# Altium PCB CameraControler2.1.PcbDoc (part 2 of 3) (continued)
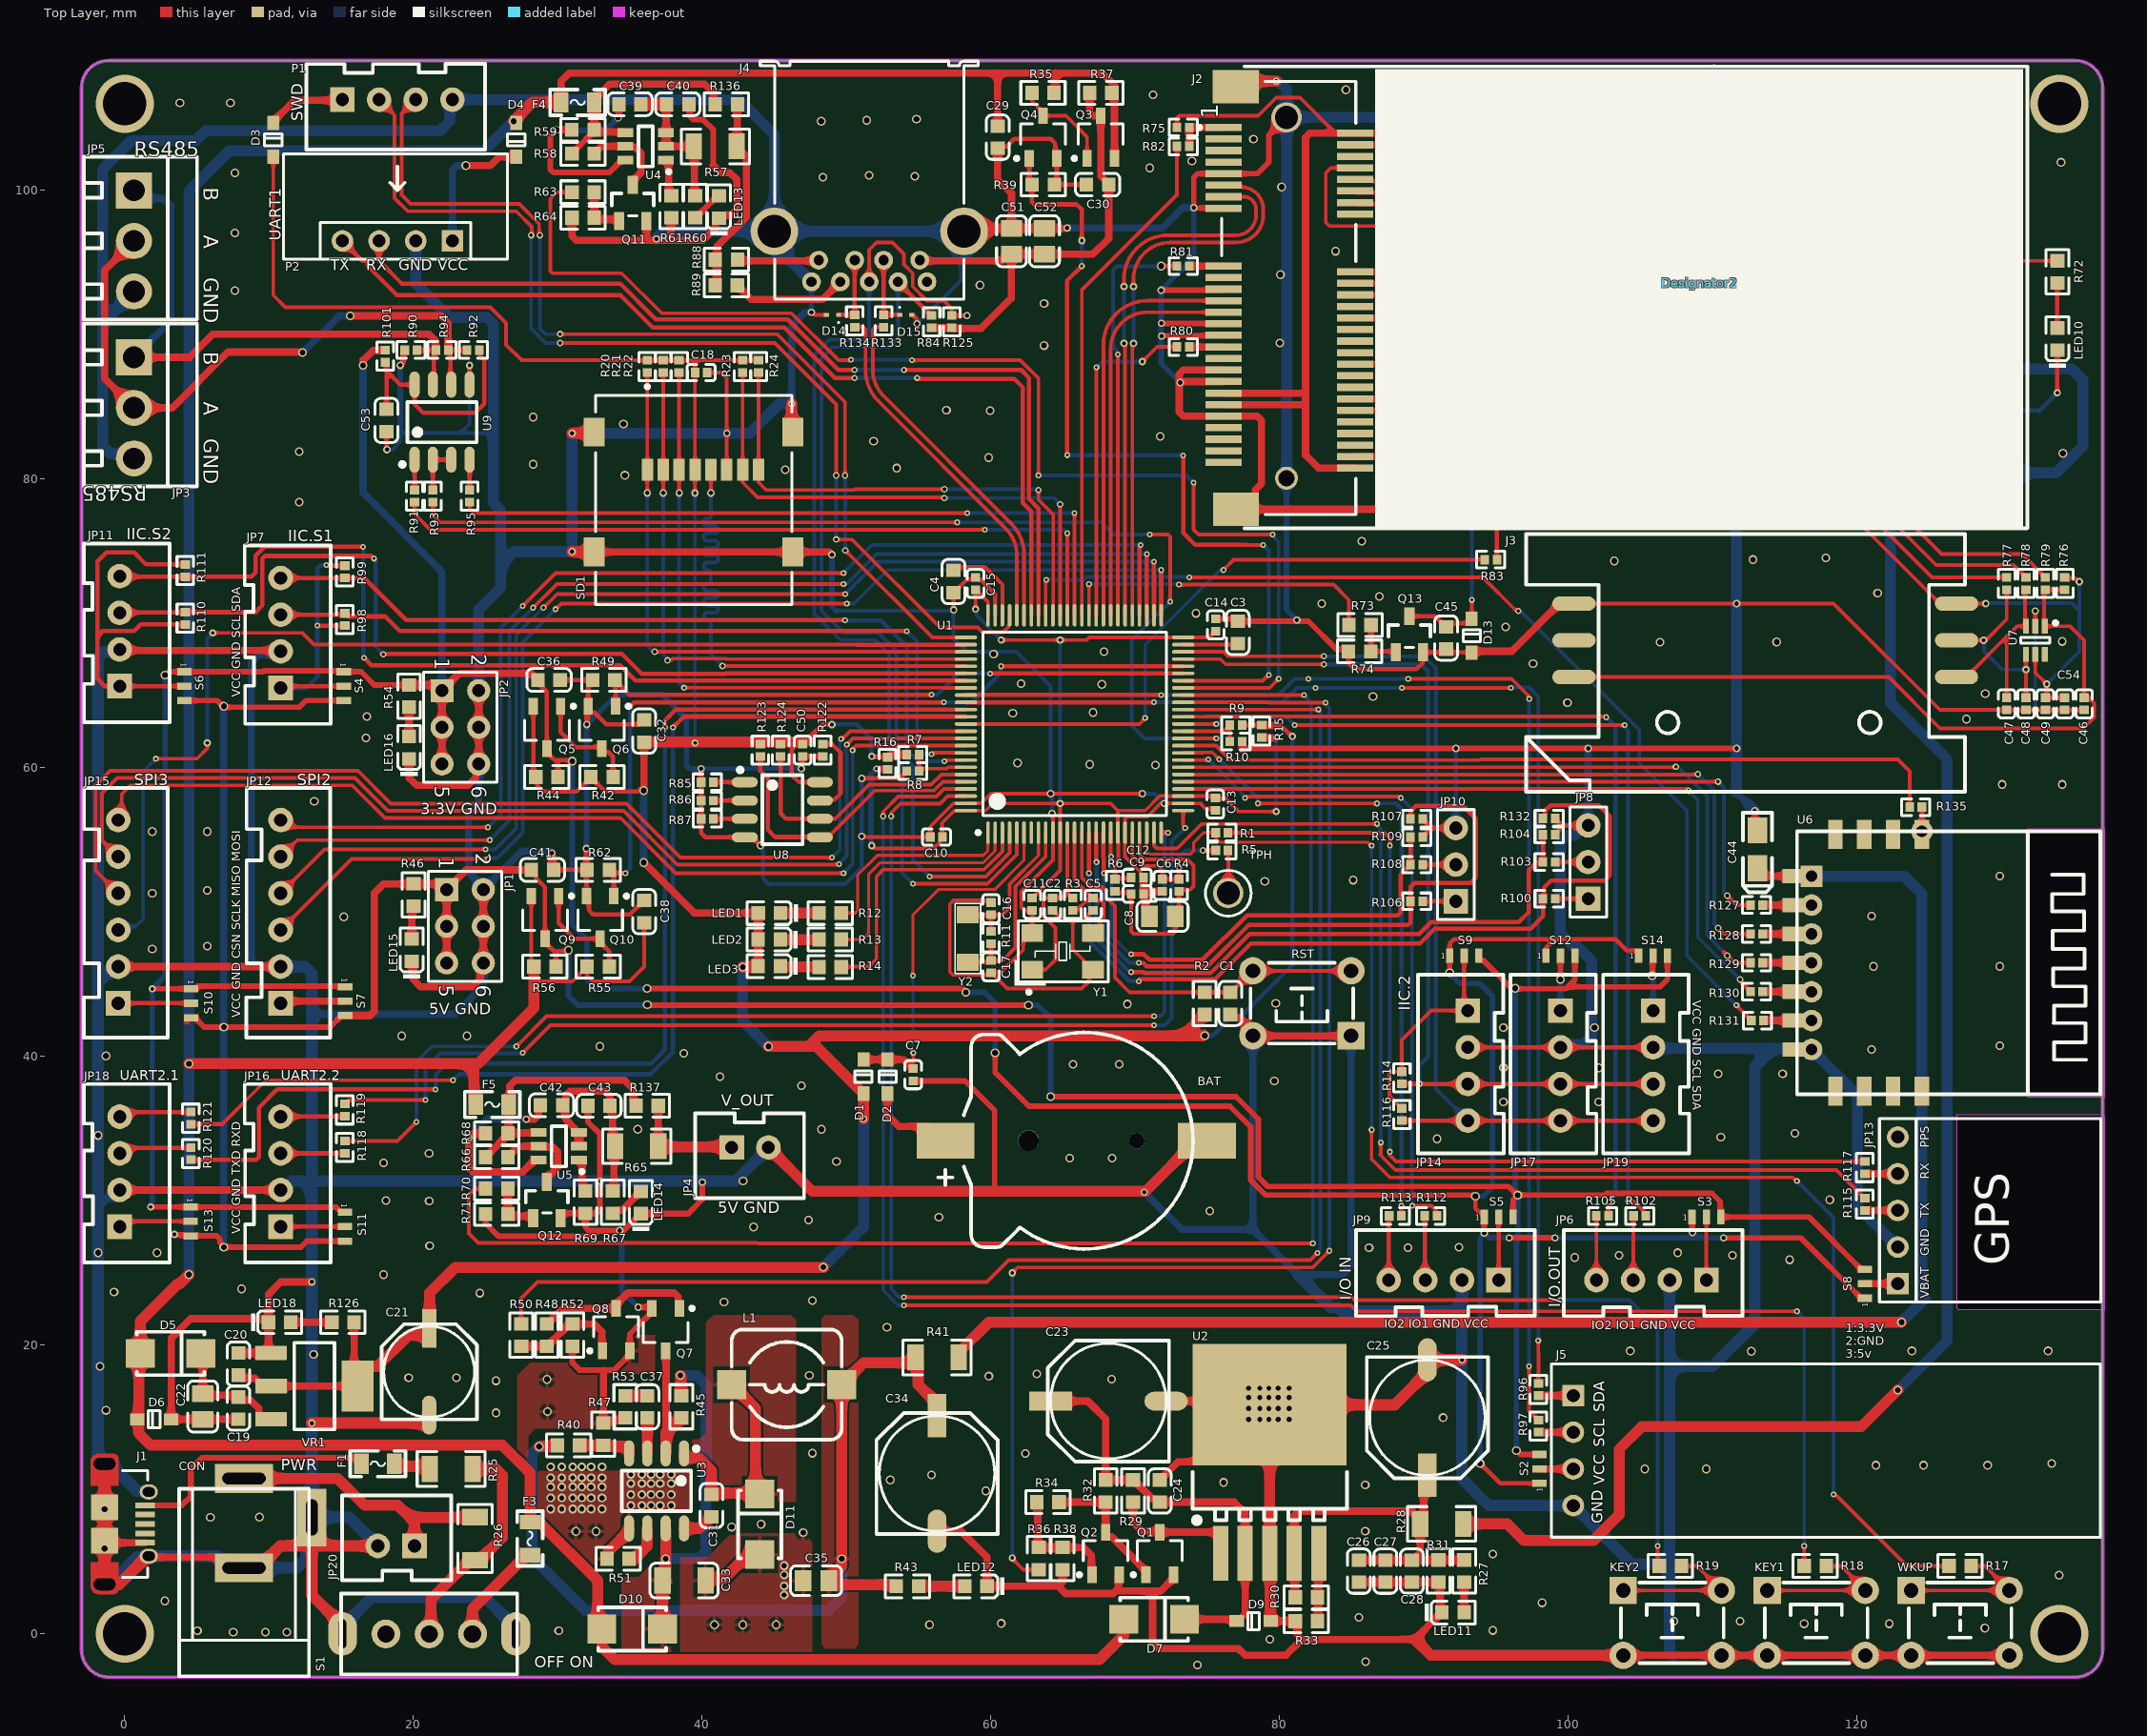
[diagram p0: Top Layer view]
## Nets (pads, with @x,y where several pads share a name; then routed paths per layer and width w, separated by ;. In a path a pad name is that pad's centre, name@x,y a point inside that pad or via, vN(x,y) a via of type N, cw(c..) or ccw(c..) an arc to the next point about the centre after c; other vN are vias at no path point) (continued)
  Top Layer w0.381: v4(19.082,87.884) 19.282,88.084 19.282,88.829 R90.2@19.391,88.939 ; v4(31.975,54.409) 31.975,52.986 R62.1@32.028,52.933 ; v4(32.004,63) 32.028,63.024 32.028,64.195 Q6.2@32.099,64.265 ; C7.2@54.607,38.313 58.2,38.313 60.252,36.261 60.252,30.69 60.286,30.656 ; v4(71.786,93.088) J2.21@76.044,93.088 ; v4(71.797,90.805) 71.819,90.783 76.095,90.783 J2.27@76.117,90.761 ; v4(71.819,89.916) 71.842,89.939 76.094,89.939 J2.29@76.117,89.961 ; v4@74.041,99.034 74.041,100.906 74.295,101.161 J2.9@76.117,101.161 78.448,101.161 79.248,101.961 79.248,103.842 J2.MH1@80.467,105.061 ; 74.295,98.779 76.098,98.779 J2.15@76.117,98.761 ; C3.1@77.089,70.156 81.99,70.156 83.919,68.227 84.599,68.227 R74.2@84.765,68.061 ; 77.437,61.341 v4(92.194,61.341) v4(101.362,61.341) v4(111.648,61.341) ; J2.40@85.217,85.561 88.184,85.561 ; J2.34@85.217,87.961 88.252,87.961 88.475,88.184 ; J2.26@85.217,91.161 v4(88.475,91.161) 88.475,88.184 ; J2.18@85.217,94.361 v4(88.456,94.361) ; J2.4@85.217,103.161 88.042,103.161 88.15,103.053 v4(88.184,103.053) ; v4@88.475,85.852 88.475,88.184 ; v4(112.903,57.023) 112.903,55.847 C44.2@113.084,55.666
  Top Layer w0.4: R71.2@24.986,29.083 24.986,28.448 25.875,27.559 32.305,27.559 32.686,27.94 ; Q12.2@30.19,28.801 30.19,28.994 30.34,29.144 R69.2@31.903,29.144 ; R52.1@31.007,19.923 31.007,18.777 31.496,18.288 33.917,18.288 34.986,19.357 Q8.2@34.986,19.607 34.986,20.782 35.686,21.482 35.69,21.482 36.515,22.307 Q7.2@36.515,22.557 36.44,22.632 v4(35.565,22.632) ; C43.1@32.07,36.588 32.07,35.467 32.92,34.617 v4(32.92,31.369) 32.92,29.378 32.686,29.144 R69.2@31.903,29.144 ; C40.1@39.069,105.974 39.151,105.892 39.151,105.136 39.385,104.902 40.059,104.902 40.765,104.196 40.765,101.727 ; v4(40.005,31.301) 40.005,30.096 39.025,29.116 LED14.K@35.751,29.116 35.726,29.116 34.55,27.94 v4(34.288,27.94) 32.686,27.94 ; R69.2@31.903,29.144 31.903,28.174 32.137,27.94 32.686,27.94
  Top Layer w0.5: JP15.2@-0.457,46.228 JP12.2@10.795,46.228 ; JP18.2@-0.356,30.751 JP16.2@10.795,30.751 ; JP11.2@-0.356,68.199 -0.292,68.136 10.732,68.136 JP7.2@10.795,68.072 ; LED16.K@19.689,60.63 19.689,59.3 20.205,58.784 23.778,58.784 24.305,59.311 24.305,60.054 JP2.6@24.515,60.265 JP2.4@24.515,62.805 JP2.2@24.515,65.345 ; LED15.K@19.88,46.593 19.951,46.522 19.951,45.378 20.498,44.831 24.101,44.831 24.622,45.353 24.622,46.272 JP1.6@24.833,46.482 JP1.4@24.833,49.022 JP1.2@24.833,51.562 ; v4(29.591,54.102) 29.593,54.1 29.593,53.038 C41.1@29.697,52.933 ; SD1.11@32.526,74.952 SD1.10@46.276,74.952 48.799,74.952 v4(48.979,74.771) ; R47.1@33.147,14.605 33.147,18.253 ; C1.1@76.581,42.913 76.796,42.698 77.242,42.698 78.515,41.425 RST.1@85.315,41.425 ; R10.2@77.39,61.818 77.39,61.294 77.437,61.341 ; KEY2.2@103.788,-1.488 KEY2.2@110.588,-1.488 KEY1.2@113.757,-1.488 KEY1.2@120.557,-1.488 WKUP.2@123.727,-1.488 WKUP.2@130.527,-1.488
  Top Layer w0.508: J1.Shell@-1.397,6.463 -1.247,6.313 J1.5@1.408,6.313 ; J1.Shell@1.658,5.388 1.728,5.318 7.509,5.318 CON.2@8.255,4.572 CON.2@8.986,4.572 ; C19.1@7.874,14.868 D6.1@3.212,14.868 3.212,20.484 4.572,21.844 9.7,21.844 9.718,21.826 9.743,21.826 LED18.K@9.954,21.615 ; C20.1@7.874,19.468 VR1.1@10.131,19.468 9.954,19.645 LED18.K@9.954,21.59 LED18.K@9.954,21.615 ; v4(12.955,24.384) 10.815,24.384 9.954,23.523 LED18.K@9.954,21.615 ; R64.2@30.978,98.1 30.978,96.848 31.276,96.55 35.837,96.55 ; R47.1@33.147,14.605 33.325,14.783 34.493,14.783 R53.1@34.671,14.962 ; Q11.2@36.135,97.886 36.135,96.848 35.837,96.55 ; R61.2@37.852,98.1 37.824,98.072 37.824,96.873 37.501,96.55 ; 40.765,101.727 41.257,101.235 41.91,101.235 42.39,100.755 42.39,98.679 42.006,98.295 41.365,98.295 LED13.K@41.154,98.084 ; LED13.K@40.918,97.873 40.918,97.404 40.064,96.55 37.501,96.55 ; C34.2@56.261,7.113 57.924,7.113 59.722,5.315 LED12.K@59.722,3.302 64.655,3.302 ; J4.Shell@58.132,97.171 58.333,97.372 C51.1@61.418,97.372 ; C29.1@60.458,102.918 60.458,100.766 61.418,99.806 C51.1@61.418,97.372 ; R38.1@64.953,4.443 64.953,3.6 64.655,3.302 ; v4(65.278,97.404) 65.246,97.372 C52.1@63.704,97.372 C51.1@61.418,97.372 ; Q2.2@68.89,4.098 68.819,4.027 68.819,3.16 68.636,2.977 ; C12.2@70.554,52.403 C9.1@70.554,51.26 ; C8.1@70.991,49.701 70.665,50.027 70.665,51.124 70.554,51.235 C9.1@70.554,51.26 ; C24.1@71.684,10.666 71.709,10.666 72.97,11.927 75.358,11.927 U2.0@79.304,15.873 79.05,16.127 C23.2@72.128,16.127 ; C6.1@71.865,51.435 70.704,51.435 70.554,51.285 C9.1@70.554,51.26 ; Q1.2@72.634,4.098 72.634,3.848 71.763,2.977 71.194,2.977 ; J2.37@76.117,86.761 73.182,86.761 v4(73.108,86.687) v4@73.035,86.614 ; J2.35@76.117,87.561 73.332,87.561 73.035,87.263 v4@73.035,86.614 ; J2.54@76.967,77.911 J2.54@77.417,77.911 ; D9.1@79.378,0.887 R33.1@81.074,0.887 81.236,0.725 81.236,-0.083 81.534,-0.381 ; J2.50@85.217,81.561 88.475,81.561 88.773,81.263 ; C26.1@85.471,3.577 85.473,3.579 90.986,3.579 R31.1@90.988,3.582 91.107,3.463 91.107,1.606 LED11.K@91.226,1.487 91.226,1.462 91.015,1.251 90.99,1.251 89.358,-0.381 81.534,-0.381 ; v4(88.773,83.161) 88.773,81.263 ; D13.1@93.301,67.968 93.413,68.08 96.079,68.08 99.373,71.374 J3.4@100.373,71.374 ; 35.837,96.55 37.501,96.55 ; 64.655,3.302 65.163,2.794 68.453,2.794 68.636,2.977 ; 68.636,2.977 71.194,2.977 ; 71.194,2.977 71.194,-0.591 71.619,-1.016 77.132,-1.016 77.604,-1.488 80.427,-1.488 81.534,-0.381 ; v4@73.035,86.614 73.035,84.659 73.332,84.361 J2.43@76.117,84.361 78.442,84.361 78.74,84.063 78.74,79.684 78.313,79.257 78.313,78.807 J2.54@77.417,77.911 ; J2.54@77.417,77.911 88.456,77.911 88.773,78.228 88.773,81.263
  Top Layer w0.762: v4(30.988,74.974) 31.01,74.952 SD1.11@32.526,74.952 ; v4(30.988,83.185) 32.459,83.185 SD1.12@32.526,83.252 ; R51.2@33.393,5.207 33.477,5.291 33.477,5.695 34.925,7.143 U3.5@34.925,7.306 ; C33.2@40.615,3.838 41.506,3.838 D11.1@43.688,6.02 ; JP4.2@44.581,33.7 47.625,30.656 60.286,30.656 v4@70.612,30.656 ; v4(46.185,85.217) 46.185,83.343 SD1.9@46.276,83.252 ; v4@70.695,30.656 74.202,34.163 BAT.2@74.952,34.163 ; J2.53@76.955,107.194 77.33,107.569 v4(79.756,107.569) ; U2.0@79.304,15.873 U2.3@79.304,5.573 79.341,5.536 79.341,0.921 79.375,0.887 D9.1@79.378,0.887 ; 89.358,-0.381 90.465,-1.488 KEY2.2@103.788,-1.488
  Top Layer w0.8: J1.Shell@-1.397,11.788 J1.Shell@-1.397,8.763 J1.Shell@-1.397,6.463 J1.Shell@-1.397,3.438 -0.392,3.438 1.558,5.388 J1.Shell@1.658,5.388 ; CON.2@8.986,4.572 9.255,4.572 10.779,6.096 CON.3@12.955,6.096 ; CON.3@12.606,7.723 12.955,7.374 CON.3@12.955,6.096 ; v4(12.955,14.605) 20.99,14.605 21.082,14.697 C21.2@21.082,15.161 ; S1.0@15.082,0 15.082,0.557 12.955,2.684 CON.3@12.955,6.096 ; JP20.2@17.526,6.096 CON.3@12.955,6.096 ; U2.0@79.304,15.873 87.965,15.873 90.226,18.134 C25.2@90.226,18.984 v4(92.62,18.984)
  Bottom Layer w0.254: v4(18.161,82.042) 18.542,82.042 19.082,82.582 19.082,83.296 19.193,83.185 23.245,83.185 ; v5(23.88,87.884) 23.88,83.82 23.245,83.185 ; 25.527,83.185 23.245,83.185 ; v4(47.562,91.561) J4.5@47.562,93.671 ; 49.276,70.886 57.348,70.886 v4(57.404,70.943) 57.404,68.973 58.341,68.036 61.758,68.036 64.128,65.666 v4(64.128,58.207) 64.227,58.108 v4(64.227,56.844) ; v4(54.876,90.761) 57.912,93.797 57.912,96.951 J4.Shell@58.132,97.171 ; v4(70.489,58.207) 71.333,58.207 v4(72.009,57.531) ; v4(132.334,64.008) v4(132.334,70.866)
  Bottom Layer w0.3: v4(39.918,59.942) 39.925,59.936 v4(46.863,59.936) ; v4(44.026,54.61) 44.196,54.44 44.196,52.351 44.581,51.966 49.928,51.966 51.043,53.081 v4(51.043,55.245) v4(51.043,59.267) ; JP10.3@92.194,55.832 v4(92.194,61.341)
  Bottom Layer w0.381: 19.082,83.296 v4(19.082,87.884) ; v4(31.975,54.409) 31.975,62.971 v4(32.004,63) 34.07,65.065 37.212,65.065 38.904,63.373 38.904,62.426 38.9,62.422 38.9,60.166 39.123,59.942 v4(39.918,59.942) ; v4(48.979,74.771) 48.979,71.183 49.276,70.886 ; v4(73.108,86.687) 71.786,88.01 v4(71.786,93.088) 74.041,95.343 v4(74.041,98.806) ; J2.MH2@80.467,80.061 80.467,70.949 v4(81.185,70.231) ; 88.011,105.061 88.184,104.888 v4(88.184,103.053) 88.184,94.666 88.456,94.395 v4(88.456,94.361) 88.465,94.351 88.465,91.171 v4(88.475,91.161) ; v4(111.648,61.341) 111.648,58.278 112.395,57.531
  Bottom Layer w0.4: v4(34.288,27.94) 34.417,27.811 34.417,23.78 v4(35.565,22.632)
  Bottom Layer w0.5: -1.86,29.758 -1.626,29.758 -0.633,30.751 JP18.2@-0.356,30.751 ; JP12.2@10.795,46.228 9.271,46.228 8.763,46.736 8.763,67.31 9.295,67.842 10.565,67.842 JP7.2@10.795,68.072 ; 12.955,42.926 22.86,42.926 24.833,44.899 JP1.6@24.833,46.482 JP1.4@24.833,49.022 JP1.2@24.833,51.562 ; JP2.2@24.515,65.345 JP2.4@24.515,62.805 JP2.6@24.515,60.265 24.515,57.461 23.823,56.769 23.823,52.744 24.833,51.735 JP1.2@24.833,51.562 ; v4(29.591,54.102) 29.464,54.229 27.5,54.229 JP1.2@24.833,51.562 ; v4(70.612,30.607) 73.207,28.012 78.134,28.012 ; RST.1@78.134,41.438 78.134,28.012 ; RST.1@84.934,41.438 84.934,25.498 84.328,24.892 81.254,24.892 78.134,28.012 ; KEY2.2@103.788,-1.488 107.188,-1.488 KEY2.2@110.588,-1.488 KEY1.2@113.757,-1.488 KEY1.2@120.557,-1.488 WKUP.2@123.727,-1.488 WKUP.2@130.527,-1.488
  Bottom Layer w0.508: v4(46.185,85.217) 46.185,90.629 47.117,91.561 v4(47.562,91.561) ; v4(65.278,97.404) 71.877,97.404 73.279,98.806 v4(74.041,98.806) ; v4(88.475,85.725) 88.773,85.427 v4(88.773,83.161) ; JP8.3@101.362,56.009 v4(101.362,61.341)
  Bottom Layer w0.762: JP3.3@0.635,81.435 0.303,81.767 -0.995,81.767 -1.524,82.296 -1.524,90.842 ; JP5.3@0.635,93.001 -1.524,90.842 ; P2.2@20.152,96.501 20.152,93.55 22.516,91.186 25.081,91.186 25.527,90.74 25.527,83.185 25.527,78.359 26.035,77.851 26.035,74.041 ; JP2.2@24.515,65.345 24.515,70.951 26.035,72.471 26.035,74.041 ; v4(36.83,96.647) 36.83,96.725 37.276,97.171 J4.Shell@44.992,97.171 ; v4(46.185,85.217) 45.339,85.217 43.307,83.185 v4(41.696,83.185) v4(30.988,83.185) v4(30.988,74.974) 26.968,74.974 26.035,74.041 ; J4.5@47.562,93.671 45.478,95.755 45.478,96.685 J4.Shell@44.992,97.171 ; J4.Shell@58.132,97.171 J4.Shell@44.992,97.171 ; v4(79.756,107.569) 79.894,107.569 80.467,106.996 J2.MH1@80.467,105.061 ; J2.MH2@80.467,80.061 J2.MH1@80.467,105.061 ; JP17.2@99.441,40.64 99.62,40.819 100.981,40.819 101.6,41.438 101.6,46.622 100.597,47.625 100.33,47.625 99.441,48.514 99.441,54.864 99.887,55.31 100.41,55.31 101.108,56.009 JP8.3@101.362,56.009 ; JP19.2@105.855,40.64 105.931,40.564 114.173,40.564 116.752,40.564 U6.7@116.828,40.488 120.015,37.301 120.015,29.591 JP13.2@122.809,26.797 ; 111.648,58.278 v4(111.648,71.374) 111.648,77.993 117.221,83.566 122.671,83.566 124.985,81.252 127.656,81.252 J2.MH4@128.467,80.441 133.781,80.441 135.636,82.296 135.636,86.868 134.874,87.63 129.542,87.63 v4(128.907,88.265) 128.467,88.705 J2.MH3@128.467,104.677 128.083,105.061 88.011,105.061 J2.MH1@80.467,105.061 ; 112.395,57.531 v4(112.903,57.023) ; -1.524,90.842 -1.524,101.473 0.445,103.441 4.889,103.441 5.588,104.14 21.844,104.14 22.513,104.809 22.513,106.112 P1.4@22.692,106.291 42.553,106.291 44.992,103.852 J4.Shell@44.992,97.171
  Bottom Layer w0.8: JP15.2@-0.457,46.228 -0.701,46.228 -1.59,45.339 -1.86,45.339 ; JP11.2@-0.356,68.199 -0.528,68.027 -1.482,68.027 -1.86,67.649 -1.86,45.339 ; J1.Shell@1.658,9.838 1.61,9.886 0.855,9.886 -1.047,11.788 J1.Shell@-1.397,11.788 ; JP16.2@10.795,30.751 10.939,30.751 11.557,31.369 12.321,31.369 12.955,30.735 ; JP12.2@10.795,46.228 12.486,46.228 12.955,45.759 12.955,42.926 12.955,31.369 ; S1.0@15.082,0 15.082,0.5 17.122,2.54 24.938,2.54 27.082,0.396 S1.0@27.082,0 ; JP20.2@17.526,6.096 15.55,8.072 CON.3@12.955,8.072 ; JP4.2@44.581,33.7 44.581,33.659 42.291,31.369 v4(32.92,31.369) 12.955,31.369 ; 81.254,24.892 83.54,22.606 84.074,22.606 84.328,22.352 92.62,22.352 ; JP9.2@92.62,24.511 92.62,22.352 ; JP6.2@107.01,24.511 107.01,18.542 ; 107.188,-1.488 107.01,-1.31 107.01,4.826 ; 114.173,40.564 112.903,39.294 112.903,21.482 109.963,18.542 107.01,18.542 ; -1.86,45.339 -1.86,29.758 -1.86,12.065 -1.582,11.788 J1.Shell@-1.397,11.788 ; J1.Shell@-1.397,11.788 J1.Shell@-1.397,3.438 -1.047,3.438 0.855,5.34 1.61,5.34 J1.Shell@1.658,5.388 6.439,5.388 7.255,4.572 CON.2@8.255,4.572 11.938,4.572 12.573,5.207 12.573,7.69 CON.3@12.955,8.072 ; CON.3@12.955,8.072 v4(12.955,14.605) v4(12.955,24.384) 12.955,30.735 ; 12.955,30.735 12.955,31.369 ; 92.62,22.352 v4(92.62,18.984) 92.62,10.749 94.479,8.89 J5.4@100.33,8.89 104.394,4.826 107.01,4.826 ; 107.01,4.826 107.01,18.542
  other v1: 74.295,-2.163 85.937,-1.916 79.304,-0.381 7.509,0.127 9.743,0.127 11.219,0.127 5.028,0.218 30.058,0.218 94.758,0.245 128.84,0.397 40.842,0.636 42.801,0.636 45.126,0.636 55.736,0.636 116.324,0.705 122.223,0.705 60.706,0.725 107.298,0.887 111.882,0.887 85.473,1.14 98.171,2.159 2.78,2.286 133.985,4.064 94.758,5.528 -1.397,5.913 46.99,7.02 31.246,7.104 32.637,7.104 85.922,7.113 42.037,7.406 44.073,7.599 5.93,8.072 9.323,8.094 -1.397,8.636 59.64,9.906 85.922,10.316 76.104,10.495 53.024,10.666 55.882,11.013 105.283,11.43 109.55,11.43 121.285,11.684 124.587,11.684 129.032,11.684 133.477,11.811 62.376,12.506 47.625,12.521 91.313,14.984 25.705,15.313 29.281,15.396 -1.297,15.49 25.705,17.538 29.24,17.628 68.355,17.642 19.664,17.74 22.969,17.74 59.848,17.854 47.417,17.907 63.167,18.015 -1.713,18.537 13.082,19.367 112.659,19.581 104.278,19.605 123.787,19.605 133.221,19.605 52.796,21.248 41.506,22.998 47.625,23.085 24.592,23.61 -0.747,23.682 8.089,23.905 17.923,24.892 115.316,25.92 100.441,26.081 103.505,26.223 111.365,26.223 107.567,26.403 -1.847,26.414 2.235,26.414 86.185,26.759 88.883,26.759 92.408,26.797 21.116,26.88 43.546,28.194 47.371,28.674 56.389,28.862 75.16,29.294 21.082,29.987 18.095,30.016 118.101,30.075 42.823,31.369 17.923,32.631 49.291,32.736 65.45,32.962 68.389,32.962 21.075,33.284 90.887,34.299 110.55,34.417 -1.847,34.535 115.681,34.677 35.534,34.954 48.26,34.961 95.493,36.862 102.099,36.862 46.873,37.973 79.625,38.313 41.223,38.608 110.375,38.801 114.831,38.801 102.099,39.213 95.493,39.235 65.678,39.461 68.89,39.461 -1.297,40.043 38.724,40.229 121,40.488 32.904,40.698 129.869,40.75 19.184,41.425 23.697,41.425 95.493,42.003 101.803,42.003 69.449,43.632 79.718,43.692 121.131,46.243 129.869,46.243 1.896,47.442 5.715,47.645 15.167,49.676 121,49.732 1.896,51.316 5.715,51.513 78.968,52.128 85.084,52.225 129.869,52.492 1.896,55.584 5.715,55.584 13.117,57.676 130.046,58.844 134.201,58.844 71.394,60.19 66.831,60.243 61.833,60.336 16.696,62.067 127.554,63.373 16.763,63.556 61.508,63.786 67.069,63.838 99.927,64.519 86.456,64.948 128.869,65.138 67.678,65.786 62.091,65.833 97.541,67.214 60.178,67.882 67.818,68.035 106.346,68.704 114.417,68.719 134.201,68.758 95.643,69.767 74.188,70.706 82.913,71.374 86.902,71.867 121.412,72.109 103.169,74.326 112.776,74.422 117.826,74.54 85.688,75.701 12.077,78.398 34.644,80.264 45.743,80.652 53.471,80.759 28.291,81.031 59.832,81.493 134.245,81.794 12.08,81.897 51.871,82.635 71.725,82.963 34.536,83.812 28.291,84.297 59.936,84.743 56.91,84.775 63.678,89.254 80.005,89.426 63.678,92.166 117.377,92.879 7.62,93.052 97.917,93.08 59.233,93.438 80.045,94.163 83.867,95.79 7.62,97.054 80.127,100.234 48.347,100.912 54.716,100.985 51.562,101.04 7.62,101.219 70.991,101.561 134.112,101.949 73.914,102.036 78.179,103.551 48.238,104.792 51.386,104.861 54.839,104.941 117.983,105.931 3.81,106.063 7.316,106.063 97.536,106.172 71.217,106.627 84.582,106.97
  other v3: 45.671,2.692 45.671,3.327 45.671,4.089 45.671,4.724 29.5,8.653 30.262,8.653 31.024,8.653 31.659,8.653 32.294,8.653 33.056,8.653 35.052,8.89 35.814,8.89 36.449,8.89 37.084,8.89 37.846,8.89 29.5,9.415 30.262,9.415 31.024,9.415 31.659,9.415 32.294,9.415 33.056,9.415 35.052,9.652 35.814,9.652 36.449,9.652 37.084,9.652 37.846,9.652 29.5,10.177 30.262,10.177 31.024,10.177 31.659,10.177 32.294,10.177 33.056,10.177 35.052,10.414 35.814,10.414 36.449,10.414 37.084,10.414 37.846,10.414 29.5,10.812 30.262,10.812 31.024,10.812 31.659,10.812 32.294,10.812 33.056,10.812 35.052,11.049 35.814,11.049 36.449,11.049 37.084,11.049 37.846,11.049 29.5,11.574 30.262,11.574 31.024,11.574 31.659,11.574 32.294,11.574 33.056,11.574 77.851,14.859 78.613,14.859 79.248,14.859 79.883,14.859 80.645,14.859 77.851,15.621 78.613,15.621 79.248,15.621 79.883,15.621 80.645,15.621 77.851,16.383 78.613,16.383 79.248,16.383 79.883,16.383 80.645,16.383 77.851,17.018 78.613,17.018 79.248,17.018 79.883,17.018 80.645,17.018
I2C1_SCL: R124.2 U1.95 U8.6 | length 18.2
  Top Layer w0.254: 49.192,56.463 51.555,58.826 55.85,58.826 56.56,59.536 U1.95@58.261,59.536
  Top Layer w0.3: R124.2@45.423,60.791 45.423,56.844 45.804,56.463 U8.6@48.15,56.463 49.192,56.463
I2C1_SDA: R123.2 U1.96 U8.5 | length 20.8
  Top Layer w0.254: U8.5@48.727,55.193 51.954,58.42 56.051,58.42 56.667,59.036 U1.96@58.261,59.036
  Top Layer w0.3: R123.2@44.026,60.791 44.026,59.775 44.534,59.267 44.534,55.711 45.042,55.203 48.14,55.203 U8.5@48.15,55.193 U8.5@48.727,55.193
I2C2_SCL: JP14.3 JP17.3 JP19.3 R114.2 U1.47 | length 63.6
  Top Layer w0.254: U1.47@73.311,67.536 73.736,67.536 75.888,67.536 76.255,67.169 v2(83.058,67.169)
  Top Layer w0.3: R114.2@88.456,38.1 v6(89.662,38.1) JP14.3@93.027,38.1 JP17.3@99.441,38.1 JP19.3@105.855,38.1
  Bottom Layer w0.3: v2(83.058,67.169) 83.072,67.183 89.789,67.183 90.297,66.675 90.297,40.005 89.662,39.37 v6(89.662,38.1)
I2C2_SDA: JP14.4 JP17.4 JP19.4 R116.2 U1.48 | length 67.6
  Top Layer w0.254: U1.48@73.311,68.036 76.095,68.036 76.403,67.728 v2(83.058,67.728)
  Top Layer w0.3: R116.2@88.456,35.56 JP14.4@93.027,35.56 JP17.4@99.441,35.56 JP19.4@105.855,35.56
  Bottom Layer w0.254: v2(83.058,67.728) 83.072,67.714 90.009,67.714 90.805,66.918 ; 90.805,40.005 90.805,37.782 JP14.4@93.027,35.56
  Bottom Layer w0.3: 90.805,40.005 90.805,66.918
I2C_SCL_OLED: R97.2 U1.84 | length 90.4
  Top Layer w0.254: v2(88.9,66.167) 96.063,66.167 97.282,64.948 v2(97.282,64.77) ; v2(97.269,18.542) 97.269,15.468 R97.2@97.917,14.82
  Top Layer w0.3: U1.84@58.261,65.036 58.267,65.042 71.78,65.042 v2(71.786,65.036)
  Bottom Layer w0.254: v2(71.786,65.036) 79.895,65.036 81.026,66.167 v2(81.99,66.167) v2(88.9,66.167) ; v2(97.269,18.542) 97.269,64.757 v2(97.282,64.77)
I2C_SCL_S1: JP7.3 R98.2 U1.92 | length 56.1
  Top Layer w0.254: v2(55.88,60.946) 55.97,61.036 U1.92@58.261,61.036
  Top Layer w0.3: JP7.3@10.795,70.612 R98.2@15.328,70.612 ; R98.2@15.24,70.7 R98.2@15.328,70.612 ; v2(54.157,69.469) 19.05,69.469 18.034,70.485 15.455,70.485 R98.2@15.328,70.612
  Bottom Layer w0.254: v2(54.157,69.469) 54.876,68.75 54.876,61.117 55.047,60.946 v2(55.88,60.946)
I2C_SCL_S2: JP11.3 R110.2 U1.81 | length 69.2
  Top Layer w0.3: JP11.3@-0.254,70.739 -0.232,70.761 4.169,70.761 R110.2@4.191,70.783 9.095,70.783 9.271,70.959 9.271,70.993 9.525,71.247 9.525,74.5 9.701,74.676 17.096,74.676 v2(17.272,74.5) ; v2@17.78,67.889 34.425,67.889 35.793,66.521 41.622,66.521 41.637,66.536 U1.81@58.261,66.536 ; v2(17.907,67.862) 17.987,67.862 v2@18.014,67.889
  Bottom Layer w0.3: v2(17.272,74.5) 17.367,74.405 17.367,68.402 v2(17.907,67.862)
I2C_SDA_OLED: R96.2 U1.85 | length 87.9
  Top Layer w0.254: v2(88.456,65.536) v2(96.012,65.536) ; v2(97.904,20.32) 97.904,19.444 97.917,19.431 R96.2@97.917,17.36
  Top Layer w0.3: U1.85@58.261,64.536 v2(71.286,64.536)
  Bottom Layer w0.254: v2(71.286,64.536) 80.185,64.536 81.185,65.536 v2(82.477,65.536) v2(88.456,65.536) ; v2(96.012,65.536) 96.034,65.558 97.26,65.558 97.904,64.914 v2(97.904,20.32)
I2C_SDA_S1: JP7.4 R99.2 U1.93 | length 57
  Top Layer w0.254: v2(56.769,60.452) 56.853,60.536 U1.93@58.261,60.536
  Top Layer w0.3: JP7.4@10.795,73.152 R99.2@15.24,73.152 16.578,73.152 19.499,70.231 v2(49.886,70.231)
  Bottom Layer w0.254: 54.157,68.434 54.157,61.261 54.955,60.463 56.758,60.463 v2(56.769,60.452)
  Bottom Layer w0.3: v2(49.886,70.231) 49.906,70.211 52.38,70.211 54.157,68.434
I2C_SDA_S2: JP11.4 R111.2 U1.82 | length 68.3
  Top Layer w0.3: JP11.4@-0.254,73.279 -0.21,73.235 R111.2@4.191,73.235 8.763,73.235 9.073,73.545 9.073,74.688 9.696,75.311 v2@16.454,75.311 ; v2(16.578,67.62) 17.09,67.108 34.305,67.108 35.359,66.054 58.243,66.054 U1.82@58.261,66.036
  Bottom Layer w0.3: v2(16.51,75.311) 16.51,67.716 16.578,67.649 v2(16.578,67.62)
IO1_IN: R112.2 U1.33 | length 47.4
  Top Layer w0.254: U1.33@73.311,60.536 75.014,60.536 v2(75.057,60.579) ; v2(77.597,57.912) 77.699,58.014 88.394,58.014 v2(88.394,57.92) ; v2(89.181,29.662) 90.493,29.662 90.861,29.294 90.861,28.981 R112.2@90.886,28.956 R112.2@90.886,29.185
  Bottom Layer w0.254: v2(75.057,60.579) 77.343,58.293 77.343,58.207 77.597,57.953 v2(77.597,57.912) ; v2(88.394,57.92) 89.163,57.15 89.163,38.32 89.154,38.31 89.154,29.689 v2(89.181,29.662)
IO1_OUT: R102.2 U1.38 | length 65.6
  Top Layer w0.254: U1.38@73.311,63.036 v2(75.601,63.036) ; v2(81.026,62.961) 103.607,62.961 103.632,62.936 ; v2(104.14,29.972) 104.513,29.972 105.359,29.126 R102.2@105.359,28.956
  Bottom Layer w0.254: v2(75.601,63.036) 76.073,63.508 80.479,63.508 v2(81.026,62.961) ; v2(103.886,62.961) 103.886,62.834 104.14,62.58 v2(104.14,29.972)
IO2_IN: R113.2 U1.34 | length 45.2
  Top Layer w0.254: U1.34@73.311,61.036 74.676,61.036 74.702,61.062 75.336,61.062 v2(75.819,60.579) ; v2(78.486,57.531) v2(86.741,57.531) ; R113.2@88.429,28.956 v2(88.429,29.662)
  Bottom Layer w0.254: v2(75.819,60.579) 78.486,57.912 v2(78.486,57.531) ; v2(86.741,57.531) 88.048,57.531
  Bottom Layer w0.3: 88.048,57.531 88.429,57.15 v2(88.429,29.662)
IO2_OUT: R105.2 U1.39 | length 64.2
  Top Layer w0.254: U1.39@73.311,63.536 74.859,63.536 74.888,63.565 82.465,63.565 82.477,63.553 102.507,63.553 v2@102.519,63.565
  Top Layer w0.3: R105.2@102.78,28.956 102.78,29.892 v2(102.82,29.932)
  Bottom Layer w0.3: v2(102.616,63.508) 103.251,62.873 103.251,30.362 v2(102.82,29.932)
KEY1: R18.1 U1.97 | length 121.3
  Top Layer w0.254: v2(52.527,56.642) 52.527,56.968 53.573,58.014 56.219,58.014 56.742,58.536 U1.97@58.261,58.536 ; v2(53.957,22.77) 84.934,22.77 85.352,22.352 v2(115.824,22.352) ; R18.1@116.324,4.699 v2(116.324,6.096)
  Bottom Layer w0.254: v2(52.527,56.642) 52.527,23.798 53.555,22.77 v2(53.957,22.77) ; v2(115.824,22.352) 116.324,21.852 v2(116.324,6.096)
KEY2: R19.1 U1.98 | length 109.4
  Top Layer w0.254: v2(53.086,56.642) 53.086,56.89 53.713,57.517 56.469,57.517 56.988,58.036 U1.98@58.261,58.036 ; v2(53.957,23.329) 84.95,23.329 85.165,23.114 v2(99.441,23.114) ; v2(106.172,6.096) 106.172,4.818 R19.1@106.291,4.699
  Bottom Layer w0.254: v2(53.086,56.642) 53.086,23.876 53.633,23.329 v2(53.957,23.329) ; v2(99.441,23.114) 104.222,23.114 106.172,21.164 v2(106.172,6.096)
KEY_WKUP: R1.1 R17.1 U1.23 | length 103.2
  Top Layer w0.203: U1.23@70.786,55.511 70.786,54.233 70.991,54.028 73.818,54.028 74.041,54.251 74.041,54.827 74.725,55.511 R1.1@75.565,55.511 75.565,55.119 75.832,54.852 86.072,54.852 86.136,54.788
  Top Layer w0.254: 86.136,54.788 86.319,54.605 v2(86.36,54.605) ; v2(86.36,34.925) 86.36,32.893 87.63,31.623 115.529,31.623 115.783,31.369 v2(115.824,31.369) v2@115.824,31.33 ; v2(118.364,9.652) 118.491,9.652 123.444,4.699 R17.1@126.357,4.699
  Bottom Layer w0.254: v2(86.36,34.925) v2(86.36,54.605) ; v2(115.824,31.369) 118.364,28.829 v2(118.364,9.652)
LED1: R12.1 U1.1 | length 14.6
  Top Layer w0.203: R12.1@49.622,49.939 50.589,49.939 50.766,50.117 50.766,52.577 52.126,53.936 59.469,53.936 59.786,54.253 U1.1@59.786,55.511
LED2: R13.1 U1.2 | length 16.9
  Top Layer w0.203: R13.1@49.622,48.098 51.099,48.098 51.515,48.514 51.515,52.618 52.333,53.436 59.472,53.436 60.286,54.251 U1.2@60.286,55.511
LED3: R14.1 U1.3 | length 19.1
  Top Layer w0.254: R14.1@49.622,46.194 49.647,46.219 51.515,46.219 52.07,46.774 52.07,52.466 52.553,52.949 59.523,52.949 60.786,54.212 U1.3@60.786,55.511
LED_WWAN#: J2.42 LED10.K | length 52.1
  Top Layer w0.3: J2.42@85.217,84.761 91.261,84.761 v5(91.313,84.709) ; v5(133.858,85.979) LED10.K@133.858,88.928
  Bottom Layer w0.3: v5@91.313,84.761 132.588,84.761 ; 132.588,84.709 v5(133.858,85.979)
LOG_RXD: P2.4 U1.69 | length 67.5
  Top Layer w0.3: P2.4@15.072,96.501 16.454,95.119 16.804,95.119 16.804,94.784 18.844,92.744 34.328,92.744 36.567,90.505 45.703,90.505 49.201,87.007 50.544,87.007 v2(50.546,87.005) ; v2@54.876,86.953 61.594,86.953 62.187,86.36 62.187,78.355 62.786,77.756 U1.69@62.786,70.561
  Bottom Layer w0.3: v2(50.546,87.005) 50.547,87.006 54.874,87.006 v2(54.876,87.007)
LOG_TXD: P2.3 U1.68 | length 66.5
  Top Layer w0.3: P2.3@17.612,96.501 17.612,95.119 19.179,93.552 34.303,93.552 36.796,91.059 45.932,91.059 49.431,87.561 50.544,87.561 v2(50.546,87.563) ; v2(53.975,87.563) 62.091,87.563 62.64,87.015 62.64,78.61 63.28,77.969 63.28,70.567 U1.68@63.286,70.561
  Bottom Layer w0.3: v2(50.546,87.563) v2(53.975,87.563)
NetBAT_1: BAT.1 D2.1 | length 6.2
  Top Layer w0.5: D2.1@52.832,37.428 52.832,35.941 53.61,35.163 55.842,35.163 BAT.1@56.842,34.163
NetC1_2: C1.2 R2.2 RST.2 U1.14 | length 29.2
  Top Layer w0.254: U1.14@66.286,55.511 66.286,52.403 66.947,51.742 67.7,51.742 67.976,51.466 67.976,51.019 68.58,50.415 68.58,45.466 69.593,44.453 R2.2@74.803,44.453 C1.2@76.581,44.453 76.606,44.453 78.078,45.925 78.515,45.925 RST.2@85.315,45.925
NetC2_1: C2.1 R3.2 U1.12 Y1.1 | length 13
  Top Layer w0.254: Y1.1@62.853,46.014 63.786,46.014 64.46,46.688 64.46,48.895 63.627,49.728 63.627,50.808 63.817,50.998 64.227,50.998 C2.1@64.258,50.967 64.289,50.998 64.964,50.998 65.286,51.32 ; U1.12@65.286,55.511 65.286,51.32 ; R3.2@65.664,50.967 65.639,50.967 65.286,51.32
NetC3_2: C3.2 U1.49 | length 3.8
  Top Layer w0.254: U1.49@73.311,68.536 77.009,68.536 C3.2@77.089,68.616
NetC4_2: C4.2 U1.73 | length 6.1
  Top Layer w0.254: C4.2@57.404,73.676 57.642,73.914 59.563,73.914 60.786,72.691 U1.73@60.786,70.561
NetC5_1: C5.1 R3.1 U1.13 Y1.3 | length 10.1
  Top Layer w0.203: C5.1@66.786,50.967 C5.1@67.044,50.967 ; Y1.3@67.069,48.554 Y1.3@67.564,49.049
  Top Layer w0.254: R3.1@65.664,50.117 65.936,50.117 C5.1@66.786,50.967 ; U1.13@65.786,55.511 65.786,52.225 67.044,50.967 C5.1@67.069,50.967 67.242,50.794 67.626,50.794 67.786,50.634 67.786,49.941 67.786,49.538 67.564,49.316 Y1.3@67.564,49.049
NetC6_2: C6.2 R4.1 R5.1 U1.21 | length 10.1
  Top Layer w0.254: U1.21@69.786,55.511 69.786,53.916 70.489,53.213 71.552,53.213 71.865,52.9 C6.2@71.865,52.285 R4.1@73.025,52.285 v6(73.025,53.086) ; v6(74.676,54.273) R5.1@75.565,54.273
  Bottom Layer w0.254: v6(73.025,53.086) 73.025,53.848 73.45,54.273 v6(74.676,54.273)
NetC7_1: C7.1 D1.2 D2.2 U1.6 | length 25.5
  Top Layer w0.203: C7.1@54.582,39.163 54.61,39.191 v2(54.61,40.259) ; v2(54.582,45.6) 54.582,49.789 56.355,51.562 60.252,51.562 62.286,53.596 U1.6@62.286,55.511
  Top Layer w0.5: D1.2@51.162,39.788 D2.2@52.832,39.788 53.957,39.788 C7.1@54.582,39.163
  Bottom Layer w0.203: v2(54.582,45.6) 54.582,40.287 v2(54.61,40.259)
NetC19_2: C19.2 C22.2 D5.2 VR1.3 | length 8.6
  Top Layer w0.5: D5.2@5.275,19.431 5.402,19.304 C22.2@5.402,16.648 5.522,16.528 7.754,16.528 C19.2@7.874,16.408 8.089,16.193 8.699,16.193 9.281,15.611 9.281,15.118 9.531,14.868 VR1.3@10.131,14.868